# Altium PCB PCB1.PcbDoc (part 1 of 5) (continued)
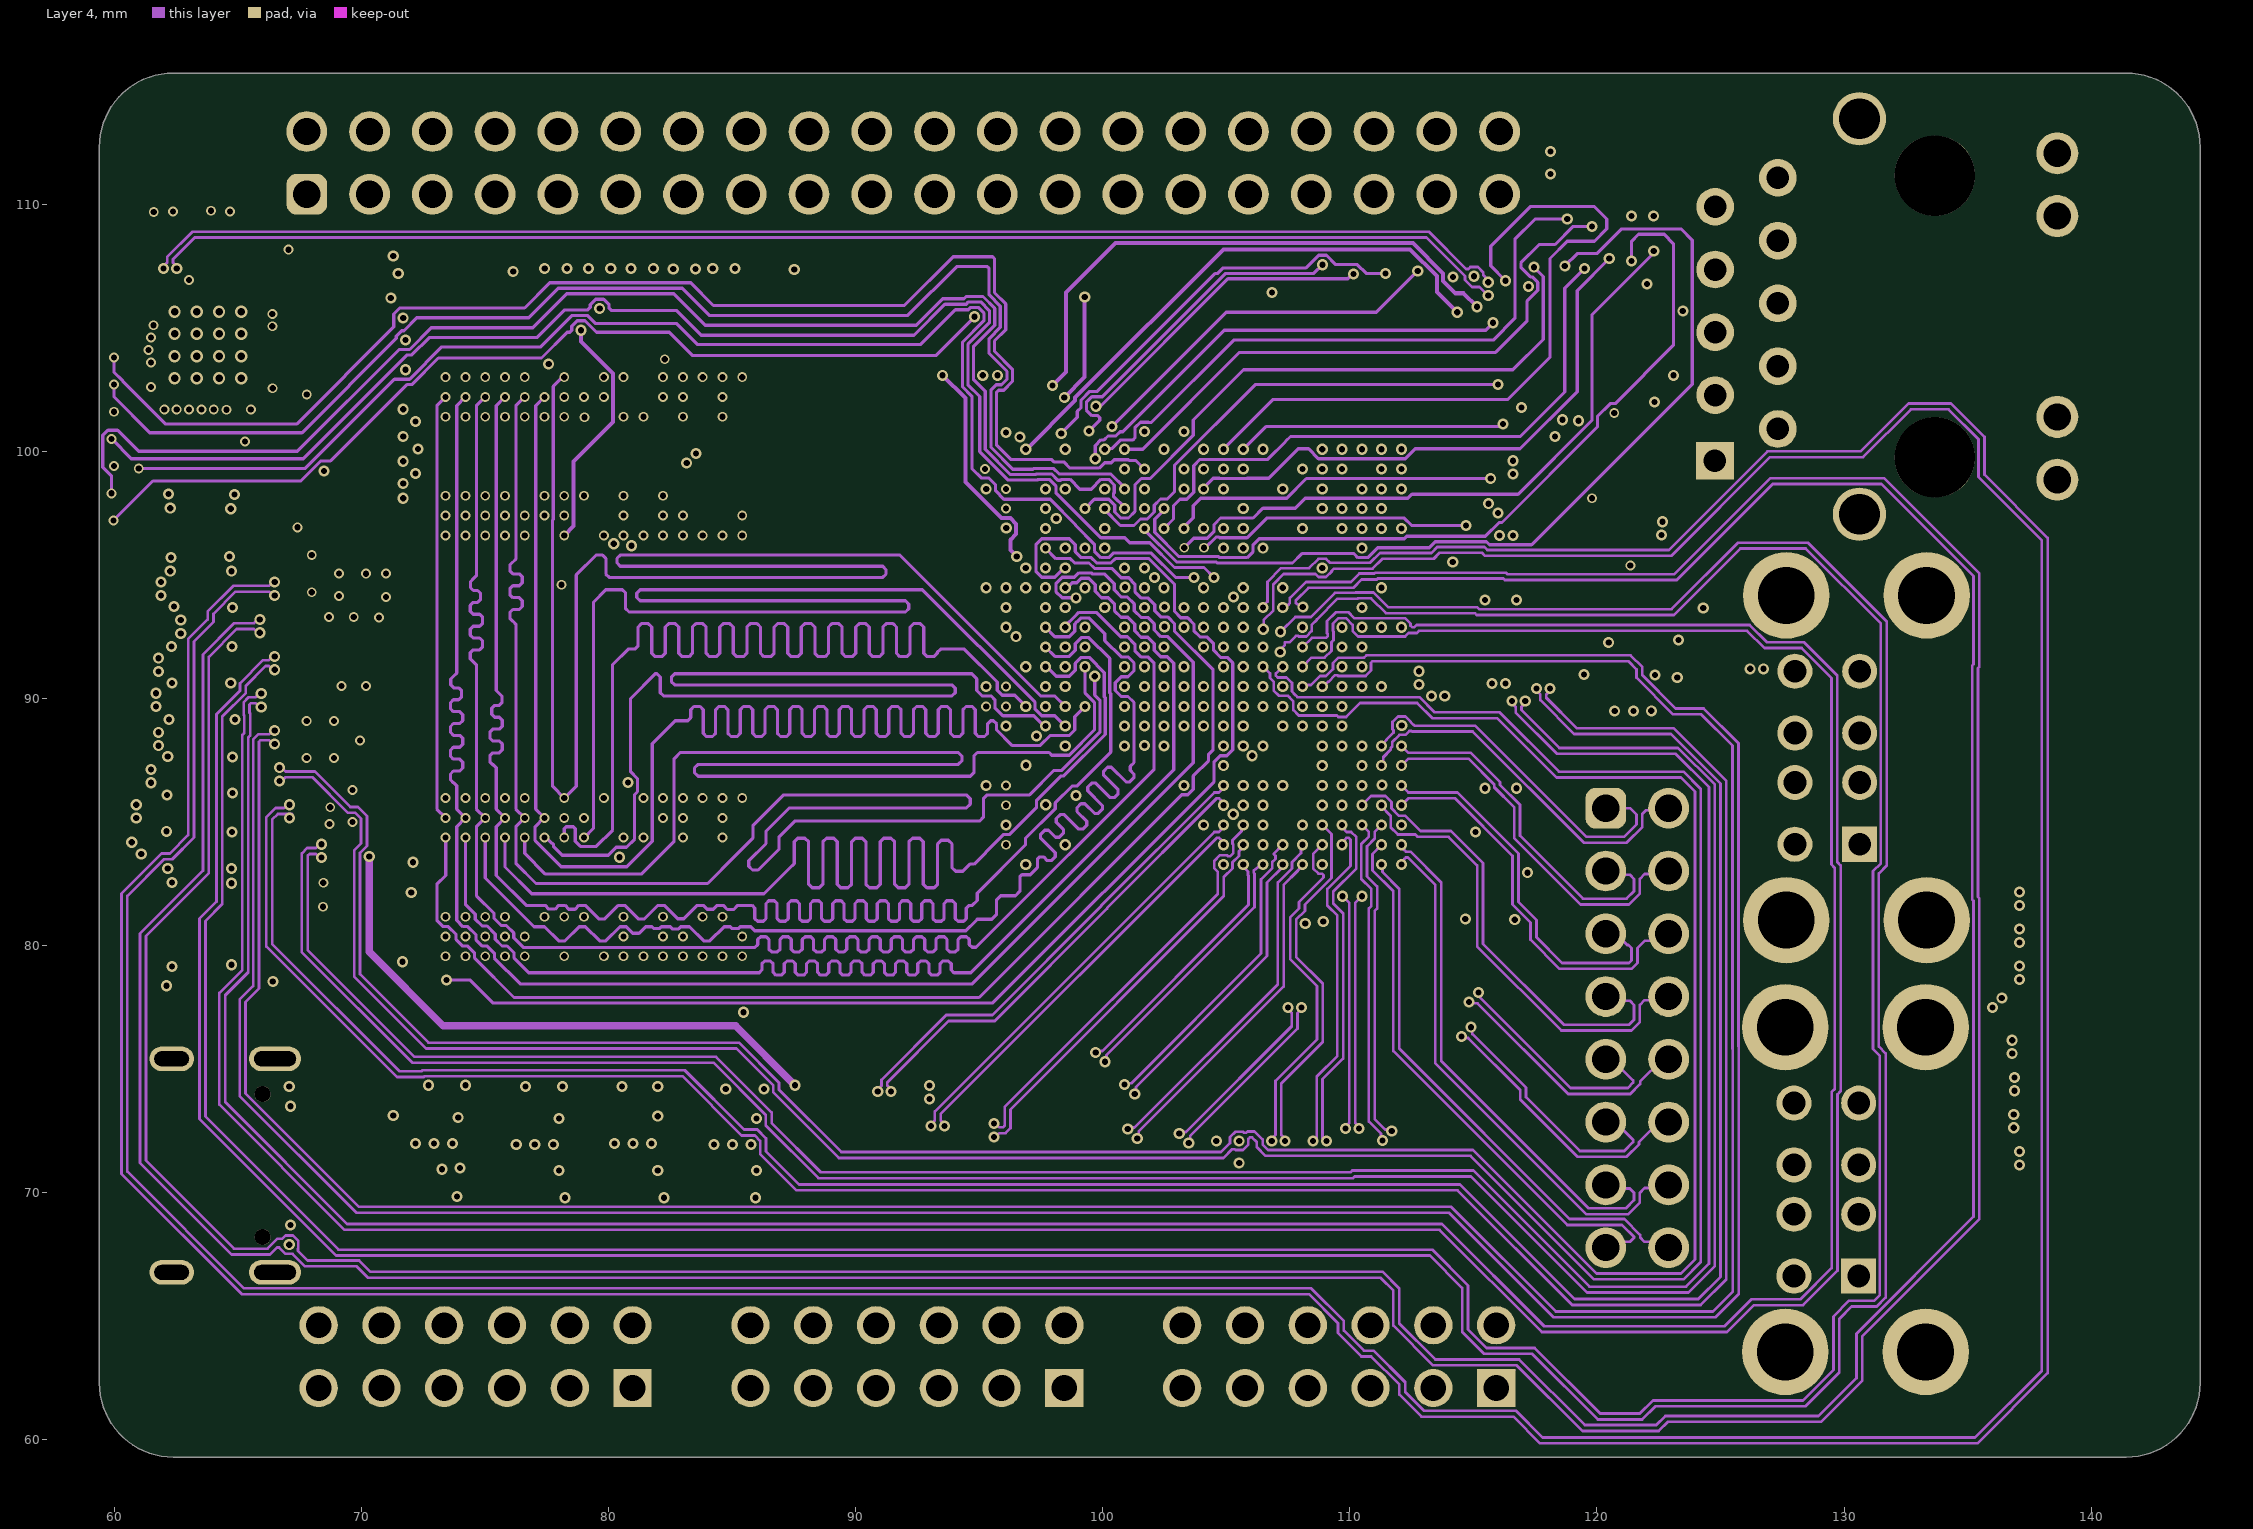
[diagram p4: Layer 4]
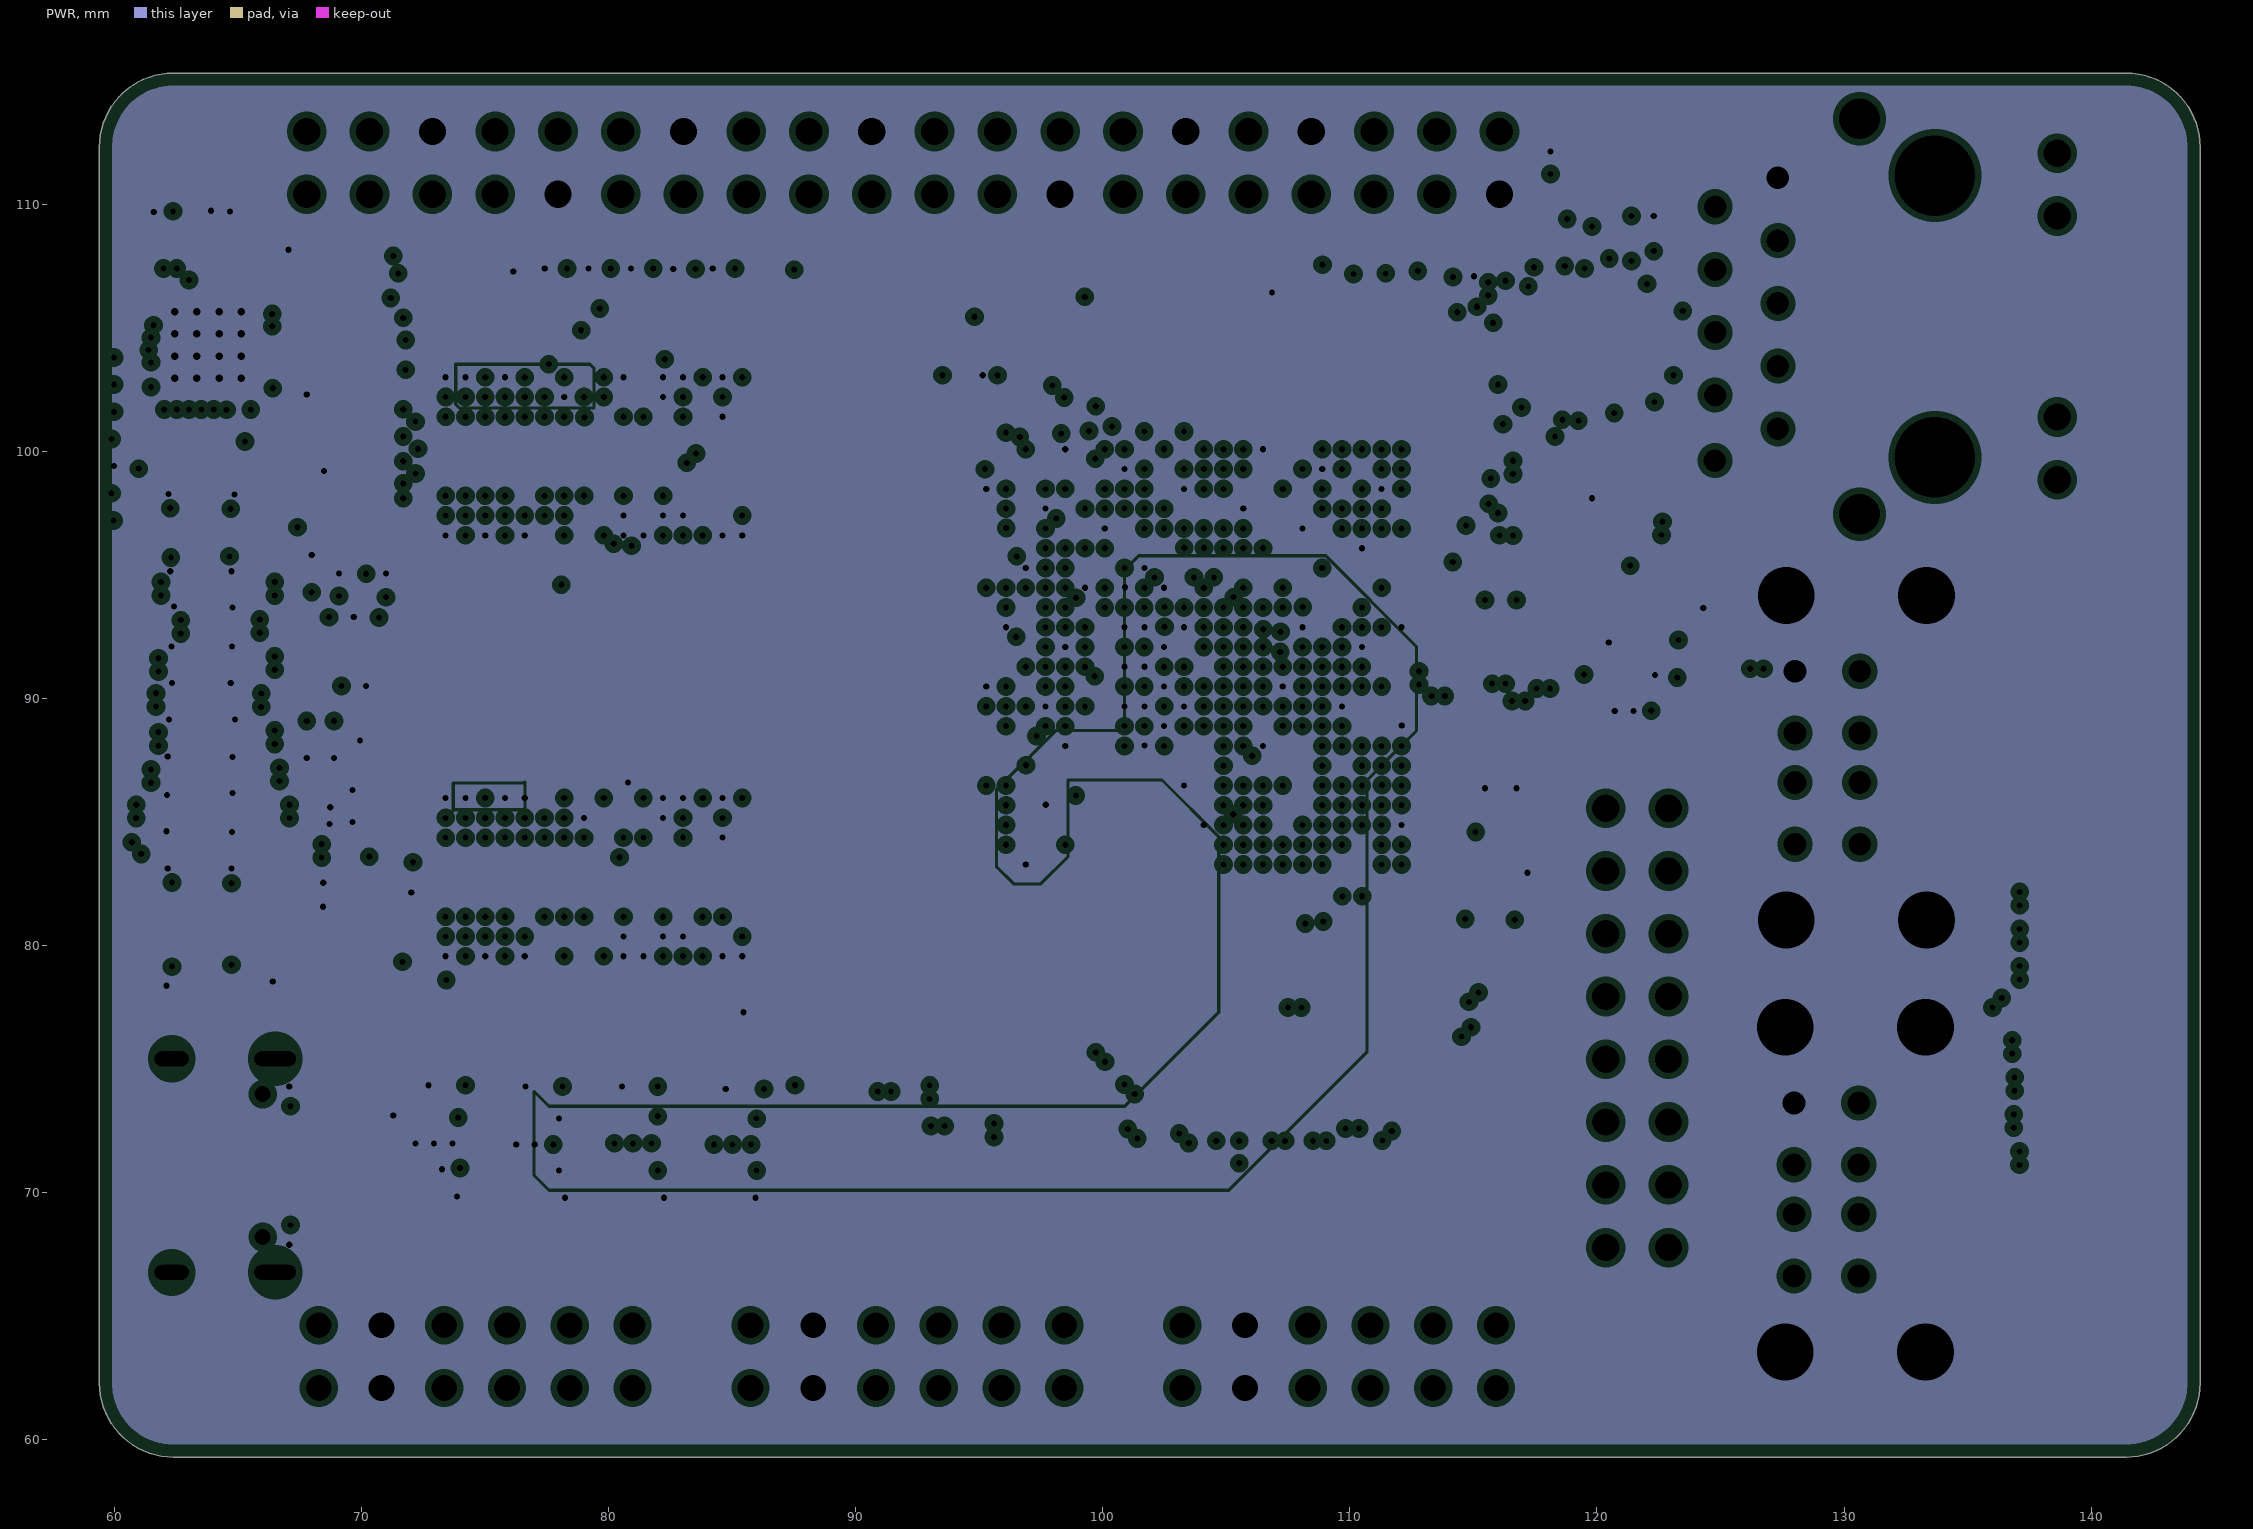
[diagram p5: PWR, clearances drawn from the general rule]
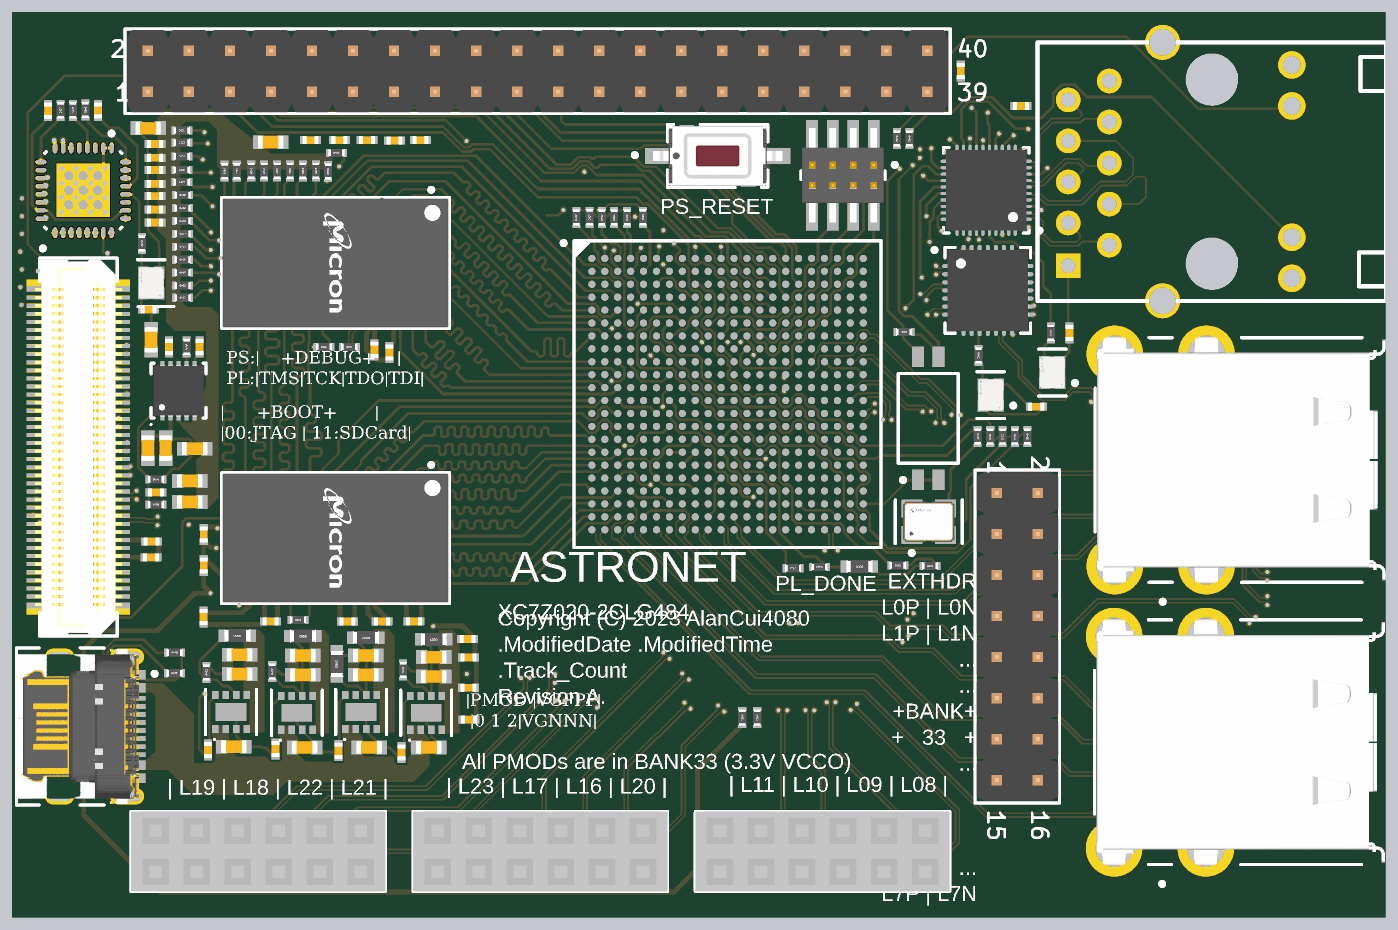
[diagram p10: 3D render of the assembled board from above, using the file's embedded part models]
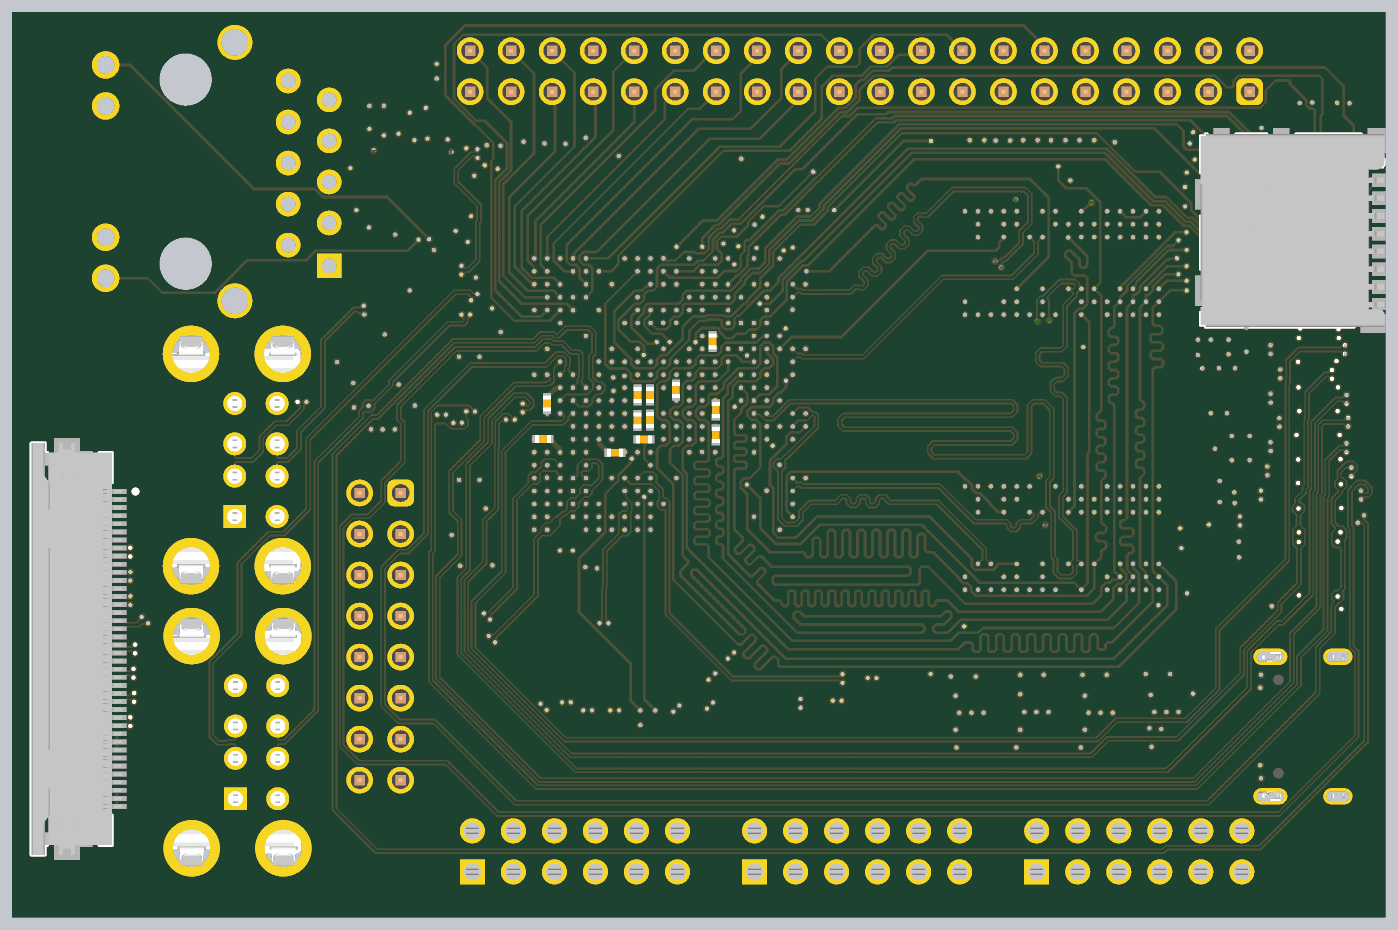
[diagram p11: 3D render of the assembled board from below, using the file's embedded part models]

## Layer stack, top to bottom
Top Solder: solder mask 0.0102, Solder Resist, Dk 3.5
Top Layer: signal copper 0.0356
Dielectric 2: prepreg 0.0994, PP-015, Dk 4.3
GND: plane copper 0.0175, net GND
Dielectric 4: core 0.55, Core-036, Dk 4.6
SIG_PWR: signal copper 0.0175
Dielectric 1: prepreg 0.1088, PP-016, Dk 4.4
Layer 4: signal copper 0.0175
Dielectric 5: core 0.55, Core-036, Dk 4.6
PWR: plane copper 0.0175, net (Multiple Nets)
Dielectric 3: prepreg 0.0994, PP-015, Dk 4.3
Bottom Layer: signal copper 0.0356
Bottom Solder: solder mask 0.0102, Solder Resist, Dk 3.5

## Board outline
59.406,62.306 ccw(c62.406,62.306) 62.406,59.306 141.406,59.306 ccw(c141.406,62.306) 144.406,62.306 144.406,112.306 ccw(c141.406,112.306) 141.406,115.306 62.406,115.306 ccw(c62.406,112.306) 59.406,112.306

## Design rules (kind name [scope] priority, off if disabled: settings)
Clearance [All] p1: gap=0.089 ignorepadtopadclearanceinfootprint=FALSE
DiffPairsRouting [All] p1: maxlimit=0.127 minlimit=0.127 mostfreqgap=0.127 toplayer_minwidth=0.11 toplayer_maxwidth=0.11 toplayer_prefwidth=0.11 midlayer1_minwidth=0.11 midlayer1_maxwidth=0.11 midlayer1_prefwidth=0.11 midlayer2_minwidth=0.11 midlayer2_maxwidth=0.11 midlayer2_prefwidth=0.11 bottomlayer_minwidth=0.11 bottomlayer_maxwidth=0.11 bottomlayer_prefwidth=0.11 maxuncoupledlength=12.7
MatchedLengths MatchLengths_xSignals_U1_U7 [InxSignalClass('PS_USB_ULPI')] p1: tolerance=1.27 checknetsindiffpair=FALSE checkdiffpairvsdiffpair=TRUE checkxsignals=TRUE checkothers=TRUE usedelayunits=TRUE delaytolerance=100.000000 targetsourcename=USB_CLK_PP2
MatchedLengths MatchedLengths_PS_DATA_BL3 [InxSignalClass('PS_DATA_BL3')] p2: tolerance=1.5 checknetsindiffpair=FALSE checkdiffpairvsdiffpair=TRUE checkxsignals=TRUE checkothers=TRUE usedelayunits=TRUE delaytolerance=10.000000 targetsourcename=DDR_DQS1_P_BL3
MatchedLengths MatchedLengths_PS_DATA_BL2 [InxSignalClass('PS_DATA_BL2')] p3: tolerance=1.5 checknetsindiffpair=FALSE checkdiffpairvsdiffpair=TRUE checkxsignals=TRUE checkothers=TRUE usedelayunits=TRUE delaytolerance=10.000000 targetsourcename=DDR_DQS0_P_BL2
MatchedLengths MatchedLengths_PS_DATA_BL1 [InxSignalClass('PS_DATA_BL1')] p4: tolerance=1.5 checknetsindiffpair=FALSE checkdiffpairvsdiffpair=TRUE checkxsignals=TRUE checkothers=TRUE usedelayunits=TRUE delaytolerance=10.000000 targetsourcename=DDR_DQS3_P_BL1
MatchedLengths MatchedLengths_PS_DATA_BL0 [InxSignalClass('PS_DATA_BL0')] p5: tolerance=1.5 checknetsindiffpair=FALSE checkdiffpairvsdiffpair=TRUE checkxsignals=TRUE checkothers=TRUE usedelayunits=TRUE delaytolerance=10.000000 targetsourcename=DDR_DQS2_P_BL0
MatchedLengths MatchedLengths_PS_ADDR_PP2 [InxSignalClass('PS_ADDR_PP2')] p6: tolerance=1 checknetsindiffpair=FALSE checkdiffpairvsdiffpair=TRUE checkxsignals=TRUE checkothers=TRUE usedelayunits=TRUE delaytolerance=15.000000 targetsourcename=DDR_CK_P_PP2
MatchedLengths MatchedLengths_PS_ADDR_PP1 [InxSignalClass('PS_ADDR_PP1')] p7: tolerance=1 checknetsindiffpair=FALSE checkdiffpairvsdiffpair=TRUE checkxsignals=TRUE checkothers=TRUE usedelayunits=TRUE delaytolerance=15.000000 targetsourcename=DDR_CK_P_PP1
MaxMinImpedance [All] p1: minimum=45.00 maximum=60.00
PlaneClearance [All] p1: clearance=0.254
PlaneConnect [All] p1: planeconnectstyle=Direct reliefexpansion=0.508 reliefentries=4 reliefconductorwidth=0.254 reliefairgap=0.254
PolygonConnect [All] p1: connectstyle=Direct reliefconductorwidth=0.254 reliefentries=4 polygonreliefangle="90 Angle" airgapwidth=0.254
ReturnPath [All] p1: _gaplimit=0
RoutingTopology RoutingTopology_DDRAddressAndControls [InNetClass('DDR_AddressAndControls')] p1: topology=Daisy_Simple
RoutingTopology [All] p2: topology=Shortest
RoutingVias [All] p1: holewidth=0.25 width=0.45 viastyle="Through Hole" minholewidth=0.25 minwidth=0.4 maxholewidth=1.8 maxwidth=2
SignalStimulus [All] p1: kind=2 level=0 starttime=1.000 stoptime=9.000 periodtime=10.00
SilkToSilkClearance [All] p1 off: silktosilkclearance=0.254
SolderMaskExpansion Via [IsVia] p1: expansion=0 istentingtop=TRUE
SolderMaskExpansion [All] p2: expansion=0 istentingtop=FALSE
ViasUnderSMD [All] p1: allowed=TRUE
Width DDR [All] p1: maxlimit=0.3 minlimit=0.13 preferedwidth=0.164 toplayer_minwidth=0.164 midlayer1_prefwidth=0.13 bottomlayer_minwidth=0.164 minimp=50.000000 maximp=50.000000 favimp=50.000000
25 further rules are at their usual default settings.

## Classes and differential pairs
component class Bank34: J8
component class Miscellaneous: J6 LED1 R55 R56 R57 R58
component class Bank35: P2
component class Bank33: J7 J11 J12 P1
component class Power: C14 C15 C16 C17 C18 C19 C20 C21 C22 C23 C24 C25 C26 C27 C28 C29 C54 C55 C56 C57 C58 C59 C60 C61 C62 C63 C64 C65 C66 C67 C68 C69 C70 C71 C72 C73 J4 R10 R11 R12 R13 R14 R15 R16 R17 R65 R66 U8 U9 U10 U11
component class Bank13: J5 U1
component class MIO: C10 C12 C13 C31 C33 J1 J2 J3 R6 R8 R9 R44 R45 R46 R47 R48 R49 R50 R51 R52 R53 R54 R59 R60 R61 R62 R63 R64 SD1 SW1 SW2 U5 U6 U7 Y1 Y2 Y3 Y4
component class DDR: C1 C2 C3 C4 C5 C6 C7 C8 C9 C11 C30 C32 C34 C35 C36 C37 C38 C39 C40 C41 C42 C43 C44 C45 C46 C47 C48 C49 C50 C51 C52 C53 R1 R2 R3 R4 R5 R7 R18 R19 R20 R21 R22 R23 R24 R25 R26 R27 R28 R29 R30 R31 R32 R33 R34 R35 R36 R37 R38 R39 R40 R41 R42 R43 U2 U3 U4
differential pair USB_EXT_D3: +USB_EXT_D3_P -USB_EXT_D3_N
differential pair USB_EXT_D2: +USB_EXT_D2_P -USB_EXT_D2_N
differential pair USB_EXT_D1: +USB_EXT_D1_P -USB_EXT_D1_N
differential pair USB_EXT_D0: +USB_EXT_D0_P -USB_EXT_D0_N
differential pair BTB_34_L24: +BTB_34_L24_P -BTB_34_L24_N
differential pair BTB_34_L23: +BTB_34_L23_P -BTB_34_L23_N
differential pair BTB_34_L22: +BTB_34_L22_P -BTB_34_L22_N
differential pair BTB_34_L21: +BTB_34_L21_P -BTB_34_L21_N
differential pair BTB_34_L20: +BTB_34_L20_P -BTB_34_L20_N
differential pair BTB_34_L19: +BTB_34_L19_P -BTB_34_L19_N
differential pair BTB_34_L18: +BTB_34_L18_P -BTB_34_L18_N
differential pair BTB_34_L17: +BTB_34_L17_P -BTB_34_L17_N
differential pair BTB_34_L16: +BTB_34_L16_P -BTB_34_L16_N
differential pair BTB_34_L15: +BTB_34_L15_P -BTB_34_L15_N
differential pair BTB_34_L14: +BTB_34_L14_P -BTB_34_L14_N
differential pair BTB_34_L13: +BTB_34_L13_P -BTB_34_L13_N
differential pair BTB_34_L12: +BTB_34_L12_P -BTB_34_L12_N
differential pair BTB_34_L11: +BTB_34_L11_P -BTB_34_L11_N
differential pair BTB_34_L10: +BTB_34_L10_P -BTB_34_L10_N
differential pair BTB_34_L9: +BTB_34_L9_P -BTB_34_L9_N
differential pair BTB_34_L8: +BTB_34_L8_P -BTB_34_L8_N
differential pair BTB_34_L7: +BTB_34_L7_P -BTB_34_L7_N
differential pair BTB_34_L6: +BTB_34_L6_P -BTB_34_L6_N
differential pair BTB_34_L5: +BTB_34_L5_P -BTB_34_L5_N
differential pair BTB_34_L4: +BTB_34_L4_P -BTB_34_L4_N
differential pair BTB_34_L3: +BTB_34_L3_P -BTB_34_L3_N
differential pair BTB_34_L2: +BTB_34_L2_P -BTB_34_L2_N
differential pair BTB_34_L1: +BTB_34_L1_P -BTB_34_L1_N
differential pair ETH_MDI3: +ETH_MDI3_P -ETH_MDI3_N
differential pair ETH_MDI2: +ETH_MDI2_P -ETH_MDI2_N
differential pair ETH_MDI1: +ETH_MDI1_P -ETH_MDI1_N
differential pair ETH_MDI0: +ETH_MDI0_P -ETH_MDI0_N
differential pair LVDS_L7: +LVDS_L7_P -LVDS_L7_N
differential pair LVDS_L6: +LVDS_L6_P -LVDS_L6_N
differential pair LVDS_L5: +LVDS_L5_P -LVDS_L5_N
differential pair LVDS_L4: +LVDS_L4_P -LVDS_L4_N
differential pair LVDS_L3: +LVDS_L3_P -LVDS_L3_N
differential pair LVDS_L2: +LVDS_L2_P -LVDS_L2_N
differential pair LVDS_L1: +LVDS_L1_P -LVDS_L1_N
differential pair LVDS_L0: +LVDS_L0_P -LVDS_L0_N
differential pair USB_ULPI: +USB_ULPI_P -USB_ULPI_N
differential pair PMOD_L23: +PMOD_L23_P -PMOD_L23_N
differential pair PMOD_L22: +PMOD_L22_P -PMOD_L22_N
differential pair PMOD_L21: +PMOD_L21_P -PMOD_L21_N
differential pair PMOD_L20: +PMOD_L20_P -PMOD_L20_N
differential pair PMOD_L19: +PMOD_L19_P -PMOD_L19_N
differential pair PMOD_L18: +PMOD_L18_P -PMOD_L18_N
differential pair PMOD_L17: +PMOD_L17_P -PMOD_L17_N
differential pair PMOD_L16: +PMOD_L16_P -PMOD_L16_N
differential pair PMOD_L15: +PMOD_L15_P -PMOD_L15_N
differential pair PMOD_L14: +PMOD_L14_P -PMOD_L14_N
differential pair PMOD_L13: +PMOD_L13_P -PMOD_L13_N
differential pair PMOD_L12: +PMOD_L12_P -PMOD_L12_N
differential pair PMOD_L11: +PMOD_L11_P -PMOD_L11_N
differential pair PMOD_L10: +PMOD_L10_P -PMOD_L10_N
differential pair PMOD_L9: +PMOD_L9_P -PMOD_L9_N
differential pair PMOD_L8: +PMOD_L8_P -PMOD_L8_N
differential pair PMOD_L7: +PMOD_L7_P -PMOD_L7_N
differential pair PMOD_L6: +PMOD_L6_P -PMOD_L6_N
differential pair PMOD_L5: +PMOD_L5_P -PMOD_L5_N
differential pair PMOD_L4: +PMOD_L4_P -PMOD_L4_N
differential pair PMOD_L3: +PMOD_L3_P -PMOD_L3_N
differential pair PMOD_L2: +PMOD_L2_P -PMOD_L2_N
differential pair PMOD_L1: +PMOD_L1_P -PMOD_L1_N
differential pair PMOD_L0: +PMOD_L0_P -PMOD_L0_N
differential pair DDR_DQS3: +DDR_DQS3_P -DDR_DQS3_N
differential pair DDR_DQS2: +DDR_DQS2_P -DDR_DQS2_N
differential pair DDR_DQS1: +DDR_DQS1_P -DDR_DQS1_N
differential pair DDR_DQS0: +DDR_DQS0_P -DDR_DQS0_N
differential pair DDR_CK: +DDR_CK_P -DDR_CK_N

## Components (designator, comment, footprint, x,y, rotation, side; value= is the part's Value field where it differs from the comment)
C1 "10uF 0805" C0603 68,95.05 r270 top
C2 "100nF" C0402 69.1,94.6 r270 top
C3 "100nF" C0402 68.3,85.6 r180 top
C4 "10uF 0805" C0603 68.9,88.341 r90 top
C5 "10uF 0805" C0603 67.796,88.341 r90 top
C6 "100nF" C0402 71,94.6 r90 top
C7 "10uF 0805" C0603 70.4,85 r180 top
C8 "10uF 0805" C0603 70.4,86.3 r180 top
C9 "10uF 0805" C0603 70.7,88.3 r180 top
C10 "100nF" C0402 67.85,96.925 r0 top
C11 "10uF 0805" C0603 75.4,107.275 r180 top
C12 "100nF" C0402 61.625,109.225 r90 top
C13 "100nF" C0402 64.709,109.25 r90 top
C14 "10uF 0805" C0603 73.125,69.85 r180 top
C15 "10uF 0805" C0603 73.475,75.55 r0 top
C16 "10uF 0805" C0603 73.475,74.35 r0 top
C17 "10uF 0805" C0603 77.5,69.8 r180 top
C18 "10uF 0805" C0603 77.4,75.5 r0 top
C19 "10uF 0805" C0603 77.4,74.3 r0 top
C20 "3.3nF" C0402 71.525,69.65 r90 top
C21 "3.3nF" C0402 75.7,69.7 r90 top
C22 "10uF 0805" C0603 81.5,69.8 r180 top
C23 "10uF 0805" C0603 85.2,69.8 r180 top
C24 "10uF 0805" C0603 81.3,74.3 r0 top
C25 "10uF 0805" C0603 81.3,75.5 r0 top
C26 "10uF 0805" C0603 85.5,74.2 r0 top
C27 "10uF 0805" C0603 85.5,75.4 r0 top
C28 "3.3nF" C0402 79.6,69.6 r90 top
C29 "3.3nF" C0402 83.5,69.5 r90 top
C30 "100nF" C0402 84.275,77.61 r180 top
C31 "100nF" C0402 124.85,95.47 r270 top
C32 "10uF 0805" C0603 67.825,108.15 r0 top
C33 "100nF" C0402 122.8,90.9 r180 top
C34 "100nF" C0402 80.15,77.6 r180 top
C35 "100nF" C0402 68.25,105.546 r0 top
C36 "100nF" C0402 82.3,77.6 r0 top
C37 "100nF" C0402 81.825,94.425 r90 top
C38 "100nF" C0402 68.25,107.168 r0 top
C39 "100nF" C0402 68.25,103.936 r0 top
C40 "100nF" C0402 68.25,106.311 r0 top
C41 "100nF" C0402 68.25,103.1 r0 top
C42 "100nF" C0402 68.25,102.3 r0 top
C43 "100nF" C0402 82.75,94.246 r90 top
C44 "100nF" C0402 68.25,104.7 r0 top
C45 "100nF" C0402 71.258,81.075 r270 top
C46 "100nF" C0402 71.259,83 r90 top
C47 "100nF" C0402 71.25,77.875 r90 top
C48 "100nF" C0402 77.875,107.4 r0 top
C49 "100nF" C0402 75.4,77.61 r0 top
C50 "100nF" C0402 79.65,107.4 r0 top
C51 "100nF" C0402 81.371,107.4 r0 top
C52 "100nF" C0402 83.075,107.375 r0 top
C53 "100nF" C0402 84.675,107.4 r0 top
C54 "100nF" C0402 101.05,94.95 r90 bottom
C55 "100nF" C0402 105.3,88.875 r0 bottom
C56 "100nF" C0402 104.925,90.075 r270 bottom
C57 "100nF" C0402 105.7,90.05 r90 bottom
C58 "100nF" C0402 104.925,91.625 r270 bottom
C59 "100nF" C0402 105.688,91.631 r90 bottom
C60 "100nF" C0402 107.1,88.05 r180 bottom
C61 "100nF" C0402 111.3,91.1 r90 bottom
C62 "100nF" C0402 111.55,88.9 r0 bottom
C63 "100nF" C0402 103.325,91.925 r90 bottom
C64 "100nF" C0402 68,81.575 r180 top
C65 "100nF" C0402 68.025,82.55 r180 top
C66 "100nF" C0402 100.85,90.7 r270 bottom
C67 "100nF" C0402 100.85,89.15 r270 bottom
C68 "100nF" C0402 87.6,76.525 r180 top
C69 "100nF" C0402 118.125,111.675 r270 top
C70 "100nF" C0402 87.65,75.375 r180 top
C71 "100nF" C0402 121.845,109.525 r180 top
C72 "100nF" C0402 87.65,73.5 r180 top
C73 "100nF" C0402 87.675,71.525 r180 top
J1 "HR91130A" RJ45-TH_HR911130A 131.7,105.455 r270 top locked
J2 "67298-4090" FP-67298-4090-MFG 135.46,70.13 r90 top locked
J3 "67298-4090" FP-67298-4090-MFG 135.5,87.6 r90 top locked
J4 "USB4105-GF-A" FP-USB4105-GF-A-MFG 63.5,71.1 r270 top
J5 "54132-4062" MOLX-54132-4062 139.3,75.9 r270 bottom
J6 "FTSH-104-01-F-DV" FP-FTSH-104-01-F-DV-MFG 110.835,105.235 r180 top
J7 "SSW-106-01-T-D" SMTC-SSW-106-01-X-D 115.92,62.1 r180 top locked
J8 "AXK5S80047YG" FP-AXK5S80047YG-MFG 63.5,88.4 r270 top locked
J11 "SSW-106-01-T-D" SMTC-SSW-106-01-X-D 80.98,62.1 r180 top locked
J12 "SSW-106-01-T-D" SMTC-SSW-106-01-X-D 98.45,62.1 r180 top locked
LED1 "D" R0603 111.852,81.002 r180 top
P1 "61301621121" 61301621121 121.63,76.67 r270 top locked
P2 "61304021121" 61304021121 91.93,111.67 r0 top locked
R1 "240" R0402 78.7,94.6 r0 top
R2 "240" R0402 77.1,77.7 r180 top
R3 "10k" R0402 68.3,86.4 r180 top
R4 "10k" R0402 68.3,84.84 r0 top
R5 "10k" R0402 70.2,94.6 r90 top
R6 "10k" R0402 63.159,109.25 r90 top
R7 "49.9" R0402 104.6,71.65 r270 top
R8 "10k" R0402 62.399,109.25 r90 top
R9 "12k" R0402 63.934,109.275 r270 top
R10 "150k 0603" R0603 73.338,76.725 r180 top
R11 "120k 0603" R0603 77.4,76.7 r180 top
R12 "47k" R0402 71.425,74.45 r90 top
R13 "100k" R0402 75.5,74.5 r90 top
R14 "24k 0603" R0603 81.3,76.6 r180 top
R15 "24k 0603" R0603 85.5,76.5 r180 top
R16 "27k 0603" R0603 79.5,74.977 r90 top
R17 "100k" R0402 83.6,74.6 r90 top
R18 "49.9" R0402 77.4,105.5 r270 top
R19 "49.9" R0402 69.95,104 r0 top
R20 "49.9" R0402 69.9,108 r0 top
R21 "49.9" R0402 69.9,107.246 r0 top
R22 "49.9" R0402 76.6,105.5 r270 top
R23 "49.9" R0402 69.95,102.4 r0 top
R24 "49.9" R0402 69.9,106.4 r0 top
R25 "49.9" R0402 69.9,105.554 r0 top
R26 "49.9" R0402 69.95,101.6 r0 top
R27 "49.9" R0402 69.9,104.8 r0 top
R28 "49.9" R0402 75.8,105.5 r270 top
R29 "49.9" R0402 69.95,100.8 r0 top
R30 "49.9" R0402 75,105.5 r270 top
R31 "49.9" R0402 69.95,99.2 r0 top
R32 "49.9" R0402 74.2,105.5 r270 top
R33 "49.9" R0402 69.95,97.646 r0 top
R34 "49.9" R0402 73.3,105.479 r270 top
R35 "49.9" R0402 79.475,106.615 r0 top
R36 "49.9" R0402 69.95,100 r0 top
R37 "49.9" R0402 69.95,103.2 r0 top
R38 "49.9" R0402 72.546,105.479 r270 top
R39 "49.9" R0402 69.95,98.4 r0 top
R40 "49.9" R0402 78.2,105.5 r270 top
R41 "49.9" R0402 78.954,105.461 r270 top
R42 "120" R0402 80.271,94.6 r180 top
R43 "49.9" R0402 105.525,71.65 r270 top
R44 "10k" R0402 98.45,102.625 r270 top
R45 "10k" R0402 119.95,89.047 r90 top
R46 "10k" R0402 122.25,89.05 r270 top
R47 "10k" R0402 121.475,89.047 r90 top
R48 "10k" R0402 95.904,102.61 r90 top
R49 "10k" R0402 114.617,95.525 r180 top
R50 "10k" R0402 95.15,102.625 r90 top
R51 "10k" R0402 120.718,89.047 r90 top
R52 "10k" R0402 97.475,102.61 r90 top
R53 "10k" R0402 96.659,102.61 r90 top
R54 "10k" R0402 94.325,102.61 r90 top
R55 "470" R0402 116.225,81.05 r180 top
R56 "4.7k" R0402 109.375,80.975 r180 top
R57 "4.7k" R0402 114.225,81.075 r180 top
R58 "4.7k" R0402 107.75,80.9 r180 top
R59 "49.9" R0402 67.425,101.006 r270 top
R60 "49.9" R0402 119.175,89.05 r270 top
R61 "49.9" R0402 119.225,94.075 r270 top
R62 "49.9" R0402 123.703,95.47 r90 top
R63 "470" R0402 114.175,107.5 r270 top
R64 "470" R0402 114.95,107.5 r270 top
R65 "5.1k" R0402 69.45,74.4 r0 top